# EAGLE board working (EAGLE 9.6.2), part 10 of 28 (continued)
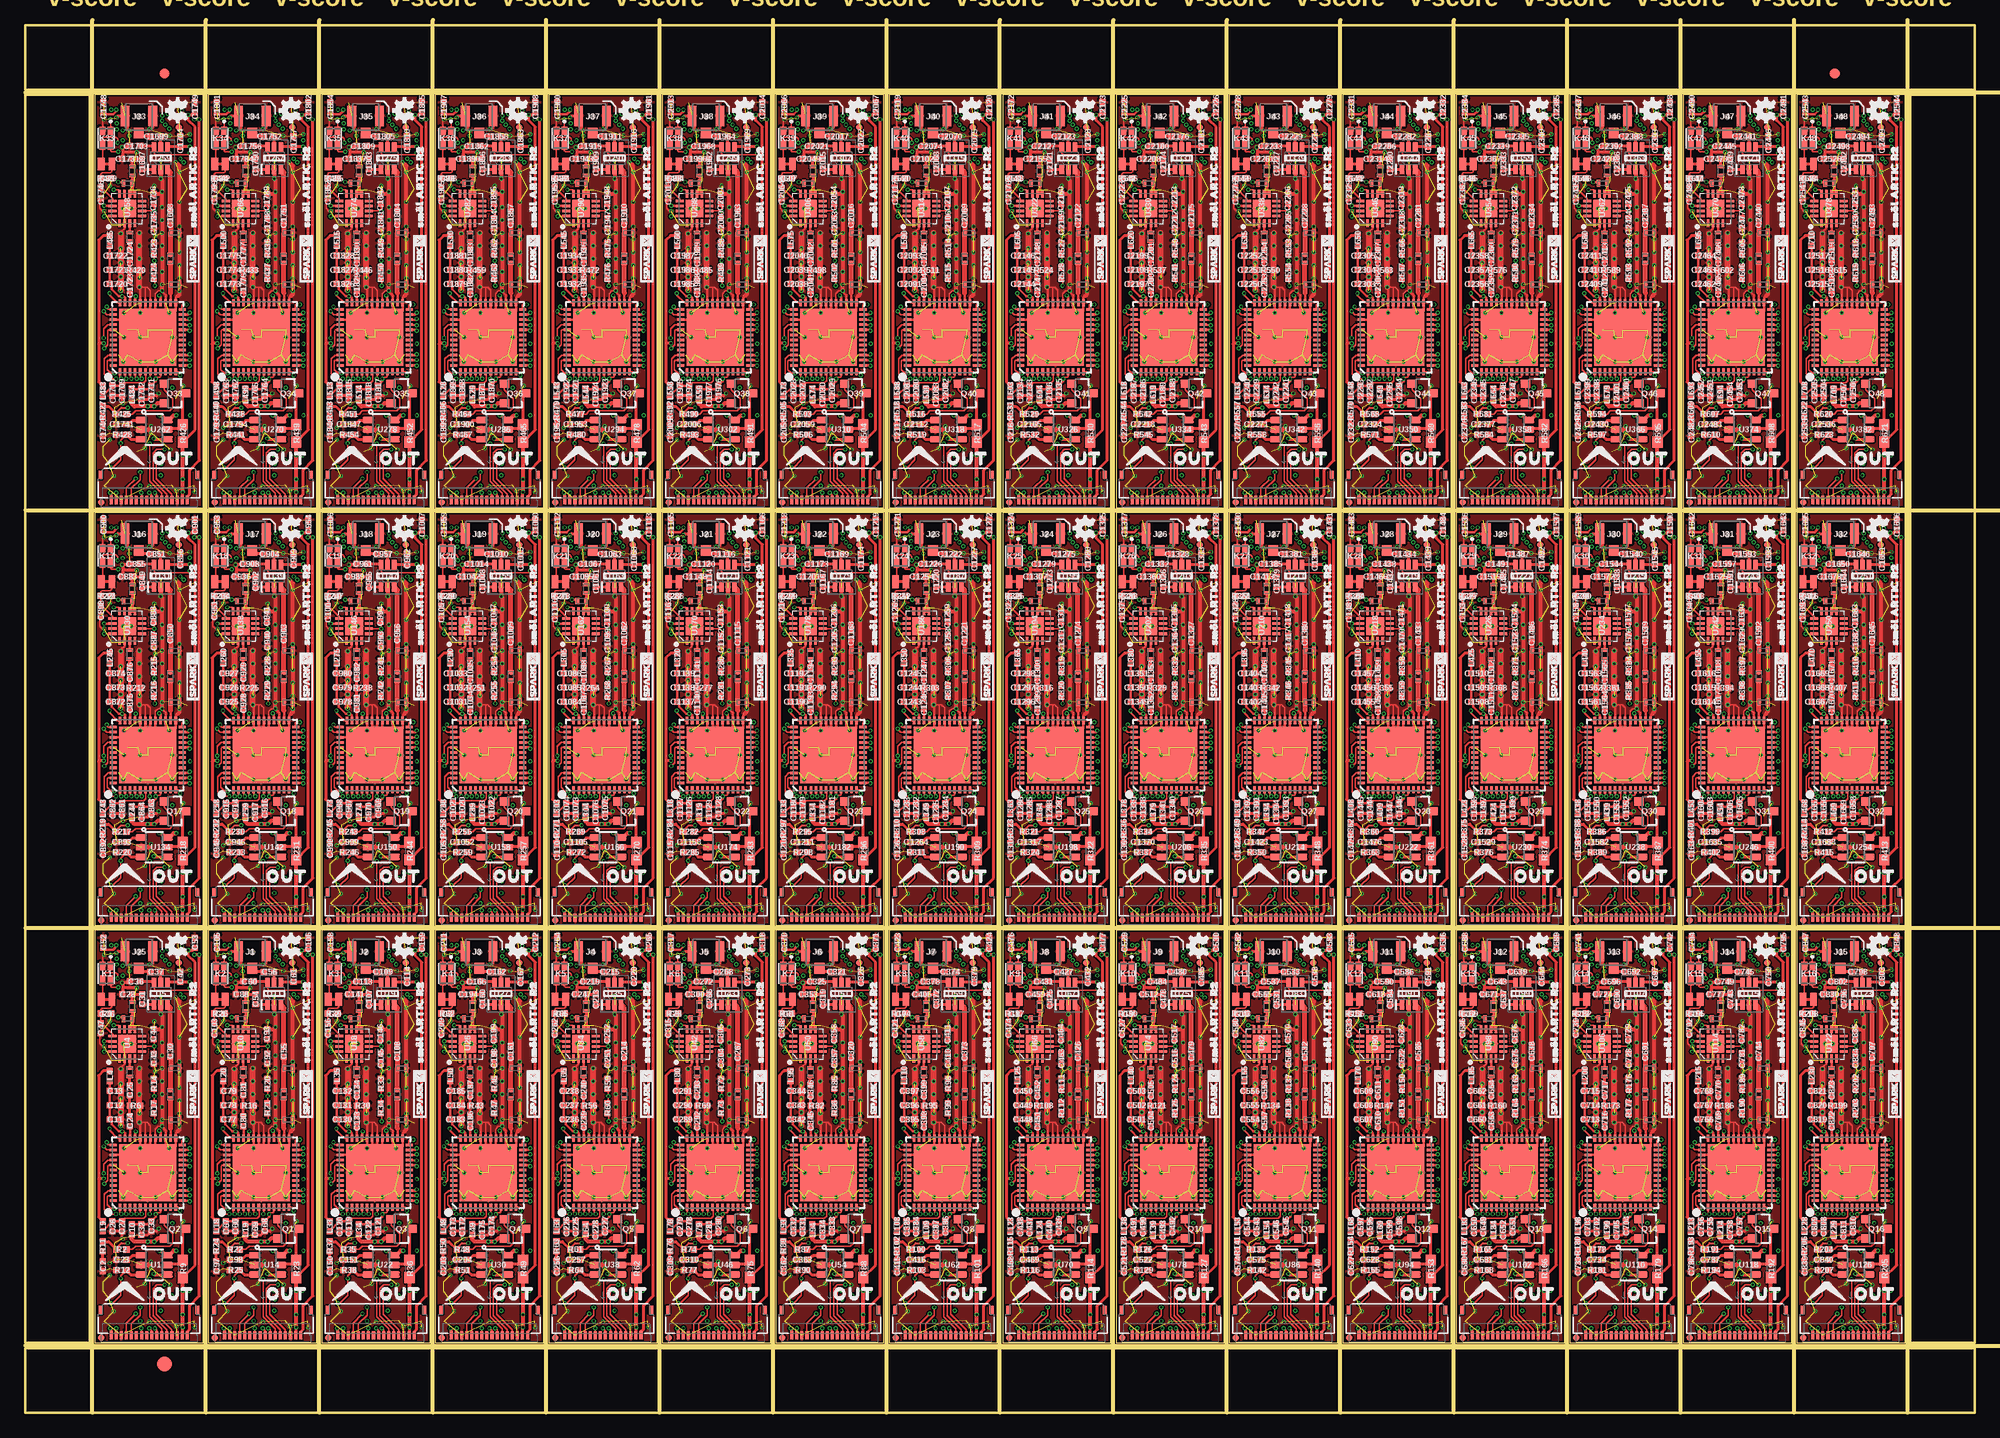
[diagram p0: board, top side]
## Tracks (layer width: path | path; a pad name or v marks a point on that pad's centre or on a via) (continued)
1.8V33  (via drill 0.2)
  Top 0.305: L500.2 18.85,115.94 18.4,115.49 18.4,105.28 | 18.4,105.28 18.4,101.54 L498.2 | v18.9,105.35 18.47,105.35 18.4,105.28
  Bottom 0.152: L496.2 25.73,108.52 26.54,108.52 26.79,108.76 27.36,108.76 1V34.1
  Bottom 0.254: U268.5 19.56,98.11 19.37,98.3 19.37,98.56 C1753.1
  Bottom 0.305: L509.2 23.24,104.21 | 23.24,104.21 L502.2 22.23,104.01 21.25,103.04 19.57,103.04 19.56,103.05 | C1753.1 18.93,102.05 19.56,102.68 19.56,103.05 | 19.56,103.05 19.56,105.09 19.34,105.31 18.93,105.31 v18.9,105.35 | L496.2 24,108.07 24,106.17 23.24,105.41 23.24,104.21
1.8V34  (via drill 0.2)
  Top 0.305: L515.2 30.03,115.94 29.58,115.49 29.58,105.28 | 29.58,105.28 29.58,101.54 L513.2 | v30.07,105.35 29.64,105.35 29.58,105.28
  Bottom 0.152: L511.2 36.9,108.52 37.72,108.52 37.96,108.76 38.53,108.76 1V35.1
  Bottom 0.254: U276.5 30.73,98.11 30.54,98.3 30.54,98.56 C1806.1
  Bottom 0.305: L524.2 34.42,104.21 | 34.42,104.21 L517.2 33.4,104.01 32.42,103.04 30.75,103.04 30.73,103.05 | C1806.1 30.11,102.05 30.73,102.68 30.73,103.05 | 30.73,103.05 30.73,105.09 30.52,105.31 30.11,105.31 v30.07,105.35 | L511.2 35.18,108.07 35.18,106.17 34.42,105.41 34.42,104.21
1.8V35  (via drill 0.2)
  Top 0.305: L530.2 41.2,115.94 40.75,115.49 40.75,105.28 | 40.75,105.28 40.75,101.54 L528.2 | v41.25,105.35 40.82,105.35 40.75,105.28
  Bottom 0.152: L526.2 48.08,108.52 48.89,108.52 49.14,108.76 49.71,108.76 1V36.1
  Bottom 0.254: U284.5 41.91,98.11 41.72,98.3 41.72,98.56 C1859.1
  Bottom 0.305: L539.2 45.59,104.21 | 45.59,104.21 L532.2 44.58,104.01 43.6,103.04 41.92,103.04 41.91,103.05 | C1859.1 41.28,102.05 41.91,102.68 41.91,103.05 | 41.91,103.05 41.91,105.09 41.69,105.31 41.29,105.31 v41.25,105.35 | L526.2 46.35,108.07 46.35,106.17 45.59,105.41 45.59,104.21
1.8V36  (via drill 0.2)
  Top 0.305: L545.2 52.38,115.94 51.93,115.49 51.93,105.28 | 51.93,105.28 51.93,101.54 L543.2 | v52.42,105.35 51.99,105.35 51.93,105.28
  Bottom 0.152: L541.2 59.25,108.52 60.07,108.52 60.31,108.76 60.88,108.76 1V37.1
  Bottom 0.254: U292.5 53.09,98.11 52.9,98.3 52.9,98.56 C1912.1
  Bottom 0.305: L554.2 56.77,104.21 | 56.77,104.21 L547.2 55.75,104.01 54.78,103.04 53.1,103.04 53.09,103.05 | C1912.1 52.46,102.05 53.09,102.68 53.09,103.05 | 53.09,103.05 53.09,105.09 52.87,105.31 52.46,105.31 v52.42,105.35 | L541.2 57.53,108.07 57.53,106.17 56.77,105.41 56.77,104.21
1.8V37  (via drill 0.2)
  Top 0.305: L560.2 63.55,115.94 63.11,115.49 63.11,105.28 | 63.11,105.28 63.11,101.54 L558.2 | v63.6,105.35 63.17,105.35 63.11,105.28
  Bottom 0.152: L556.2 70.43,108.52 71.25,108.52 71.49,108.76 72.06,108.76 1V38.1
  Bottom 0.254: U300.5 64.26,98.11 64.07,98.3 64.07,98.56 C1965.1
  Bottom 0.305: L569.2 67.95,104.21 | 67.95,104.21 L562.2 66.93,104.01 65.95,103.04 64.27,103.04 64.26,103.05 | C1965.1 63.63,102.05 64.26,102.68 64.26,103.05 | 64.26,103.05 64.26,105.09 64.05,105.31 63.64,105.31 v63.6,105.35 | L556.2 68.71,108.07 68.71,106.17 67.95,105.41 67.95,104.21
1.8V38  (via drill 0.2)
  Top 0.305: L575.2 74.73,115.94 74.28,115.49 74.28,105.28 | 74.28,105.28 74.28,101.54 L573.2 | v74.78,105.35 74.35,105.35 74.28,105.28
  Bottom 0.152: L571.2 81.61,108.52 82.42,108.52 82.67,108.76 83.24,108.76 1V39.1
  Bottom 0.254: U308.5 75.44,98.11 75.25,98.3 75.25,98.56 C2018.1
  Bottom 0.305: L584.2 79.12,104.21 | 79.12,104.21 L577.2 78.11,104.01 77.13,103.04 75.45,103.04 75.44,103.05 | C2018.1 74.81,102.05 75.44,102.68 75.44,103.05 | 75.44,103.05 75.44,105.09 75.22,105.31 74.81,105.31 v74.78,105.35 | L571.2 79.88,108.07 79.88,106.17 79.12,105.41 79.12,104.21
1.8V39  (via drill 0.2)
  Top 0.305: L590.2 85.91,115.94 85.46,115.49 85.46,105.28 | 85.46,105.28 85.46,101.54 L588.2 | v85.95,105.35 85.52,105.35 85.46,105.28
  Bottom 0.152: L586.2 92.78,108.52 93.6,108.52 93.84,108.76 94.41,108.76 1V40.1
  Bottom 0.254: U316.5 86.62,98.11 86.42,98.3 86.42,98.56 C2071.1
  Bottom 0.305: L599.2 90.3,104.21 | 90.3,104.21 L592.2 89.28,104.01 88.31,103.04 86.62,103.04 86.61,103.05 | C2071.1 85.99,102.05 86.61,102.68 86.61,103.05 | 86.61,103.05 86.61,105.09 86.4,105.31 85.99,105.31 v85.95,105.35 | L586.2 91.06,108.07 91.06,106.17 90.3,105.41 90.3,104.21
1.8V40  (via drill 0.2)
  Top 0.305: L605.2 97.08,115.94 96.63,115.49 96.63,105.28 | 96.63,105.28 96.63,101.54 L603.2 | v97.13,105.35 96.7,105.35 96.63,105.28
  Bottom 0.152: L601.2 103.96,108.52 104.78,108.52 105.02,108.76 105.59,108.76 1V41.1
  Bottom 0.254: U324.5 97.79,98.11 97.6,98.3 97.6,98.56 C2124.1
  Bottom 0.305: L614.2 101.47,104.21 | 101.47,104.21 L607.2 100.46,104.01 99.48,103.04 97.8,103.04 97.79,103.05 | C2124.1 97.16,102.05 97.79,102.68 97.79,103.05 | 97.79,103.05 97.79,105.09 97.57,105.31 97.17,105.31 v97.13,105.35 | L601.2 102.23,108.07 102.23,106.17 101.47,105.41 101.47,104.21
1.8V41  (via drill 0.2)
  Top 0.305: L620.2 108.26,115.94 107.81,115.49 107.81,105.28 | 107.81,105.28 107.81,101.54 L618.2 | v108.31,105.35 107.88,105.35 107.81,105.28
  Bottom 0.152: L616.2 115.13,108.52 115.95,108.52 116.19,108.76 116.77,108.76 1V42.1
  Bottom 0.254: U332.5 108.97,98.11 108.78,98.3 108.78,98.56 C2177.1
  Bottom 0.305: L629.2 112.65,104.21 | 112.65,104.21 L622.2 111.63,104.01 110.66,103.04 108.98,103.04 108.97,103.05 | C2177.1 108.34,102.05 108.97,102.68 108.97,103.05 | 108.97,103.05 108.97,105.09 108.75,105.31 108.34,105.31 v108.31,105.35 | L616.2 113.41,108.07 113.41,106.17 112.65,105.41 112.65,104.21
1.8V42  (via drill 0.2)
  Top 0.305: L635.2 119.44,115.94 118.99,115.49 118.99,105.28 | 118.99,105.28 118.99,101.54 L633.2 | v119.48,105.35 119.05,105.35 118.99,105.28
  Bottom 0.152: L631.2 126.31,108.52 127.13,108.52 127.37,108.76 127.94,108.76 1V43.1
  Bottom 0.254: U340.5 120.14,98.11 119.95,98.3 119.95,98.56 C2230.1
  Bottom 0.305: L644.2 123.83,104.21 | 123.83,104.21 L637.2 122.81,104.01 121.83,103.04 120.15,103.04 120.14,103.05 | C2230.1 119.52,102.05 120.14,102.68 120.14,103.05 | 120.14,103.05 120.14,105.09 119.92,105.31 119.52,105.31 v119.48,105.35 | L631.2 124.59,108.07 124.59,106.17 123.83,105.41 123.83,104.21
1.8V43  (via drill 0.2)
  Top 0.305: L650.2 130.61,115.94 130.16,115.49 130.16,105.28 | 130.16,105.28 130.16,101.54 L648.2 | v130.66,105.35 130.23,105.35 130.16,105.28
  Bottom 0.152: L646.2 137.49,108.52 138.3,108.52 138.55,108.76 139.12,108.76 1V44.1
  Bottom 0.254: U348.5 131.32,98.11 131.13,98.3 131.13,98.56 C2283.1
  Bottom 0.305: L659.2 135,104.21 | 135,104.21 L652.2 133.98,104.01 133.01,103.04 131.33,103.04 131.32,103.05 | C2283.1 130.69,102.05 131.32,102.68 131.32,103.05 | 131.32,103.05 131.32,105.09 131.1,105.31 130.69,105.31 v130.66,105.35 | L646.2 135.76,108.07 135.76,106.17 135,105.41 135,104.21
1.8V44  (via drill 0.2)
  Top 0.305: L665.2 141.79,115.94 141.34,115.49 141.34,105.28 | 141.34,105.28 141.34,101.54 L663.2 | v141.83,105.35 141.4,105.35 141.34,105.28
  Bottom 0.152: L661.2 148.66,108.52 149.48,108.52 149.72,108.76 150.29,108.76 1V45.1
  Bottom 0.254: U356.5 142.5,98.11 142.3,98.3 142.3,98.56 C2336.1
  Bottom 0.305: L674.2 146.18,104.21 | 146.18,104.21 L667.2 145.16,104.01 144.19,103.04 142.5,103.04 142.49,103.05 | C2336.1 141.87,102.05 142.49,102.68 142.49,103.05 | 142.49,103.05 142.49,105.09 142.28,105.31 141.87,105.31 v141.83,105.35 | L661.2 146.94,108.07 146.94,106.17 146.18,105.41 146.18,104.21
1.8V45  (via drill 0.2)
  Top 0.305: L680.2 152.96,115.94 152.51,115.49 152.51,105.28 | 152.51,105.28 152.51,101.54 L678.2 | v153.01,105.35 152.58,105.35 152.51,105.28
  Bottom 0.152: L676.2 159.84,108.52 160.66,108.52 160.9,108.76 161.47,108.76 1V46.1
  Bottom 0.254: U364.5 153.67,98.11 153.48,98.3 153.48,98.56 C2389.1
  Bottom 0.305: L689.2 157.35,104.21 | 157.35,104.21 L682.2 156.34,104.01 155.36,103.04 153.68,103.04 153.67,103.05 | C2389.1 153.04,102.05 153.67,102.68 153.67,103.05 | 153.67,103.05 153.67,105.09 153.45,105.31 153.05,105.31 v153.01,105.35 | L676.2 158.12,108.07 158.12,106.17 157.35,105.41 157.35,104.21
1.8V46  (via drill 0.2)
  Top 0.305: L695.2 164.14,115.94 163.69,115.49 163.69,105.28 | 163.69,105.28 163.69,101.54 L693.2 | v164.19,105.35 163.75,105.35 163.69,105.28
  Bottom 0.152: L691.2 171.01,108.52 171.83,108.52 172.07,108.76 172.65,108.76 1V47.1
  Bottom 0.254: U372.5 164.85,98.11 164.66,98.3 164.66,98.56 C2442.1
  Bottom 0.305: L704.2 168.53,104.21 | 168.53,104.21 L697.2 167.51,104.01 166.54,103.04 164.86,103.04 164.85,103.05 | C2442.1 164.22,102.05 164.85,102.68 164.85,103.05 | 164.85,103.05 164.85,105.09 164.63,105.31 164.22,105.31 v164.19,105.35 | L691.2 169.29,108.07 169.29,106.17 168.53,105.41 168.53,104.21
1.8V47  (via drill 0.2)
  Top 0.305: L710.2 175.32,115.94 174.87,115.49 174.87,105.28 | 174.87,105.28 174.87,101.54 L708.2 | v175.36,105.35 174.93,105.35 174.87,105.28
  Bottom 0.152: L706.2 182.19,108.52 183.01,108.52 183.25,108.76 183.82,108.76 1V48.1
  Bottom 0.254: U380.5 176.02,98.11 175.83,98.3 175.83,98.56 C2495.1
  Bottom 0.305: L719.2 179.71,104.21 | 179.71,104.21 L712.2 178.69,104.01 177.71,103.04 176.03,103.04 176.02,103.05 | C2495.1 175.4,102.05 176.02,102.68 176.02,103.05 | 176.02,103.05 176.02,105.09 175.8,105.31 175.4,105.31 v175.36,105.35 | L706.2 180.47,108.07 180.47,106.17 179.71,105.41 179.71,104.21
3.3V  (via drill 0.2)
  Top 0.254: v8.95,46.04 8.95,45.91 8.64,45.59 7.88,45.59 C52.1
  Top 0.305: OUT.15 8.94,8.31 v8.95,8.32 | v15.43,45.97 15.43,45.84 15.75,45.53 v16.07,45.53 | C53.1 16.44,45.53 v16.07,45.53 | R9.2 16.71,14.53 16.71,44.35 16.07,44.99 v16.07,45.53 | v15.49,8.38 15.44,8.33 OUT.2
  Top 0.406: v14.86,15.94 14.61,15.94 14.16,15.49 U1.6 13.84,15.49 13.4,15.94 v13.21,15.94 | v15.49,8.38 v15.49,9.65 v15.49,12 R9.2
  Route15 0.305: v8.95,8.32 8.95,7.56 9.21,7.3 15.24,7.3 15.49,7.56 v15.49,8.38 | v8.95,46.04 8.95,46.74 9.27,47.05 15.12,47.05 15.43,46.74 v15.43,45.97
  Bottom 0.254: IN.15 8.95,46.74 v8.95,46.04 | IN.2
  Bottom 0.305: v15.49,8.38 15.63,8.52 C48.1 15.63,9.52 v15.49,9.65 | v8.95,8.32 8.95,8.38 8.75,8.58 C1.1 | IN.2 v15.43,45.97 15.43,45.85 15.75,45.53 v16.07,45.53
  Bottom 0.406: v14.86,15.94 14.1,15.94 | 14.1,15.94 v13.21,15.94 | v15.49,12 15.24,12.25 15.24,13.4 14.1,14.54 14.1,15.94
  Bottom 0.61: v14.99,12 v15.49,12
3.3V1  (via drill 0.2)
  Top 0.254: v20.13,46.04 20.13,45.91 19.81,45.59 19.06,45.59 C105.1
  Top 0.305: OUT1.15 v20.12,8.31 v20.13,8.32 | v26.61,45.97 26.61,45.84 26.92,45.53 v27.24,45.53 | C106.1 27.62,45.53 v27.24,45.53 | R23.2 27.89,14.53 27.89,44.35 27.24,44.99 v27.24,45.53 | v26.67,8.38 26.62,8.33 OUT1.2
  Top 0.406: v26.04,15.94 25.78,15.94 25.33,15.49 U14.6 25.02,15.49 24.57,15.94 v24.38,15.94 | v26.67,8.38 v26.67,9.65 v26.67,12 R23.2
  Route15 0.305: v20.13,8.32 20.13,7.56 20.38,7.3 26.42,7.3 26.67,7.56 v26.67,8.38 | v20.13,46.04 20.13,46.74 20.45,47.05 26.29,47.05 26.61,46.74 v26.61,45.97
  Bottom 0.254: IN1.15 20.13,46.74 v20.13,46.04 | IN1.2
  Bottom 0.305: v26.67,8.38 26.8,8.52 C96.1 26.8,9.52 v26.67,9.65 | v20.13,8.32 20.13,8.38 19.93,8.58 C59.1 | IN1.2 v26.61,45.97 26.61,45.85 26.93,45.53 v27.24,45.53
  Bottom 0.406: v26.04,15.94 25.27,15.94 | 25.27,15.94 v24.38,15.94 | v26.67,12 26.42,12.25 26.42,13.4 25.27,14.54 25.27,15.94
  Bottom 0.61: v26.16,12 v26.67,12
3.3V2  (via drill 0.2)
  Top 0.254: v31.31,46.04 31.31,45.91 30.99,45.59 30.23,45.59 C158.1
  Top 0.305: OUT2.15 31.29,8.31 v31.31,8.32 | v37.79,45.97 37.79,45.84 38.1,45.53 v38.42,45.53 | C159.1 38.79,45.53 v38.42,45.53 | R36.2 39.06,14.53 39.06,44.35 38.42,44.99 v38.42,45.53 | v37.85,8.38 37.79,8.33 OUT2.2
  Top 0.406: v37.21,15.94 36.96,15.94 36.51,15.49 U22.6 36.2,15.49 35.75,15.94 v35.56,15.94 | v37.85,8.38 v37.85,9.65 v37.85,12 R36.2
  Route15 0.305: v31.31,8.32 31.31,7.56 31.56,7.3 37.59,7.3 37.85,7.56 v37.85,8.38 | v31.31,46.04 31.31,46.74 31.62,47.05 37.47,47.05 37.79,46.74 v37.79,45.97
  Bottom 0.254: IN2.15 v31.31,46.04 | IN2.2 37.79,46.74
  Bottom 0.305: v37.85,8.38 37.98,8.52 C149.1 37.98,9.52 v37.85,9.65 | v31.31,8.32 31.31,8.38 31.11,8.58 C112.1 | 37.79,46.74 v37.79,45.97 37.79,45.85 38.1,45.53 v38.42,45.53
  Bottom 0.406: v37.21,15.94 36.45,15.94 | 36.45,15.94 v35.56,15.94 | v37.85,12 37.59,12.25 37.59,13.4 36.45,14.54 36.45,15.94
  Bottom 0.61: v37.34,12 v37.85,12
3.3V3  (via drill 0.2)
  Top 0.254: v42.48,46.04 42.48,45.91 42.16,45.59 41.41,45.59 C211.1
  Top 0.305: OUT3.15 v42.47,8.31 v42.48,8.32 | v48.96,45.97 48.96,45.84 49.27,45.53 v49.59,45.53 | C212.1 49.97,45.53 v49.59,45.53 | R49.2 50.24,14.53 50.24,44.35 49.59,44.99 v49.59,45.53 | v49.02,8.38 48.97,8.33 OUT3.2
  Top 0.406: v48.39,15.94 48.13,15.94 47.69,15.49 U30.6 47.37,15.49 46.93,15.94 v46.74,15.94 | v49.02,8.38 v49.02,9.65 v49.02,12 R49.2
  Route15 0.305: v42.48,8.32 42.48,7.56 42.73,7.3 48.77,7.3 49.02,7.56 v49.02,8.38 | v42.48,46.04 42.48,46.74 42.8,47.05 48.64,47.05 48.96,46.74 v48.96,45.97
  Bottom 0.254: IN3.15 42.48,46.74 v42.48,46.04 | IN3.2
  Bottom 0.305: v49.02,8.38 49.16,8.52 C202.1 49.16,9.52 v49.02,9.65 | v42.48,8.32 42.48,8.38 42.28,8.58 C165.1 | IN3.2 v48.96,45.97 48.96,45.85 49.28,45.53 v49.59,45.53
  Bottom 0.406: v48.39,15.94 47.62,15.94 | 47.62,15.94 v46.74,15.94 | v49.02,12 48.77,12.25 48.77,13.4 47.62,14.54 47.62,15.94
  Bottom 0.61: v48.51,12 v49.02,12
3.3V4  (via drill 0.2)
  Top 0.254: v53.66,46.04 53.66,45.91 53.34,45.59 52.59,45.59 C264.1
  Top 0.305: OUT4.15 53.65,8.31 v53.66,8.32 | v60.14,45.97 60.14,45.84 60.45,45.53 v60.77,45.53 | C265.1 61.14,45.53 v60.77,45.53 | R62.2 61.42,14.53 61.42,44.35 60.77,44.99 v60.77,45.53 | v60.2,8.38 60.15,8.33 OUT4.2
  Top 0.406: v59.56,15.94 59.31,15.94 58.86,15.49 U38.6 58.55,15.49 58.1,15.94 v57.91,15.94 | v60.2,8.38 v60.2,9.65 v60.2,12 R62.2
  Route15 0.305: v53.66,8.32 53.66,7.56 53.91,7.3 59.94,7.3 60.2,7.56 v60.2,8.38 | v53.66,46.04 53.66,46.74 53.97,47.05 59.82,47.05 60.14,46.74 v60.14,45.97
  Bottom 0.254: IN4.15 v53.66,46.04 | IN4.2
  Bottom 0.305: v60.2,8.38 60.33,8.52 C255.1 60.33,9.52 v60.2,9.65 | v53.66,8.32 53.66,8.38 53.46,8.58 C218.1 | IN4.2 v60.14,45.97 60.14,45.85 60.45,45.53 v60.77,45.53
  Bottom 0.406: v59.56,15.94 58.8,15.94 | 58.8,15.94 v57.91,15.94 | v60.2,12 59.94,12.25 59.94,13.4 58.8,14.54 58.8,15.94
  Bottom 0.61: v59.69,12 v60.2,12
3.3V5  (via drill 0.2)
  Top 0.254: v64.83,46.04 64.83,45.91 64.52,45.59 63.76,45.59 C317.1
  Top 0.305: OUT5.15 64.82,8.31 v64.83,8.32 | v71.31,45.97 71.31,45.84 71.63,45.53 v71.95,45.53 | C318.1 72.32,45.53 v71.95,45.53 | R75.2 72.59,14.53 72.59,44.35 71.95,44.99 v71.95,45.53 | v71.37,8.38 71.32,8.33 OUT5.2
  Top 0.406: v70.74,15.94 70.48,15.94 70.04,15.49 U46.6 69.72,15.49 69.28,15.94 v69.09,15.94 | v71.37,8.38 v71.37,9.65 v71.37,12 R75.2
  Route15 0.305: v64.83,8.32 64.83,7.56 65.09,7.3 71.12,7.3 71.37,7.56 v71.37,8.38 | v64.83,46.04 64.83,46.74 65.15,47.05 71,47.05 71.31,46.74 v71.31,45.97
  Bottom 0.254: IN5.15 64.83,46.74 v64.83,46.04 | IN5.2
  Bottom 0.305: v71.37,8.38 71.51,8.52 C308.1 71.51,9.52 v71.37,9.65 | v64.83,8.32 64.83,8.38 64.64,8.58 C271.1 | IN5.2 v71.31,45.97 71.31,45.85 71.63,45.53 v71.95,45.53
  Bottom 0.406: v70.74,15.94 69.98,15.94 | 69.98,15.94 v69.09,15.94 | v71.37,12 71.12,12.25 71.12,13.4 69.98,14.54 69.98,15.94
  Bottom 0.61: v70.87,12 v71.37,12
3.3V6  (via drill 0.2)
  Top 0.254: v76.01,46.04 76.01,45.91 75.69,45.59 74.94,45.59 C370.1
  Top 0.305: OUT6.15 v76,8.31 v76.01,8.32 | v82.49,45.97 82.49,45.84 82.8,45.53 v83.12,45.53 | C371.1 83.5,45.53 v83.12,45.53 | R88.2 83.77,14.53 83.77,44.35 83.12,44.99 v83.12,45.53 | v82.55,8.38 82.5,8.33 OUT6.2
  Top 0.406: v81.92,15.94 81.66,15.94 81.21,15.49 U54.6 80.9,15.49 80.45,15.94 v80.26,15.94 | v82.55,8.38 v82.55,9.65 v82.55,12 R88.2
  Route15 0.305: v76.01,8.32 76.01,7.56 76.26,7.3 82.3,7.3 82.55,7.56 v82.55,8.38 | v76.01,46.04 76.01,46.74 76.33,47.05 82.17,47.05 82.49,46.74 v82.49,45.97
  Bottom 0.254: IN6.15 v76.01,46.04 | IN6.2
  Bottom 0.305: v82.55,8.38 82.69,8.52 C361.1 82.69,9.52 v82.55,9.65 | v76.01,8.32 76.01,8.38 75.81,8.58 C324.1 | IN6.2 v82.49,45.97 82.49,45.85 82.81,45.53 v83.12,45.53
  Bottom 0.406: v81.92,15.94 81.15,15.94 | 81.15,15.94 v80.26,15.94 | v82.55,12 82.3,12.25 82.3,13.4 81.15,14.54 81.15,15.94
  Bottom 0.61: v82.04,12 v82.55,12
3.3V7  (via drill 0.2)
  Top 0.254: v87.19,46.04 87.19,45.91 86.87,45.59 86.11,45.59 C423.1
  Top 0.305: OUT7.15 87.17,8.31 v87.19,8.32 | v93.67,45.97 93.67,45.84 93.98,45.53 v94.3,45.53 | C424.1 94.67,45.53 v94.3,45.53 | R101.2 94.95,14.53 94.95,44.35 94.3,44.99 v94.3,45.53 | v93.73,8.38 93.67,8.33 OUT7.2
  Top 0.406: v93.09,15.94 92.84,15.94 92.39,15.49 U62.6 92.08,15.49 91.63,15.94 v91.44,15.94 | v93.73,8.38 v93.73,9.65 v93.73,12 R101.2
  Route15 0.305: v87.19,8.32 87.19,7.56 87.44,7.3 93.47,7.3 93.73,7.56 v93.73,8.38 | v87.19,46.04 87.19,46.74 87.5,47.05 93.35,47.05 93.67,46.74 v93.67,45.97
  Bottom 0.254: IN7.15 v87.19,46.04 | IN7.2 93.67,46.74
  Bottom 0.305: v93.73,8.38 93.86,8.52 C414.1 93.86,9.52 v93.73,9.65 | v87.19,8.32 87.19,8.38 86.99,8.58 C377.1 | 93.67,46.74 v93.67,45.97 93.67,45.85 93.98,45.53 v94.3,45.53
  Bottom 0.406: v93.09,15.94 92.33,15.94 | 92.33,15.94 v91.44,15.94 | v93.73,12 93.47,12.25 93.47,13.4 92.33,14.54 92.33,15.94
  Bottom 0.61: v93.22,12 v93.73,12
3.3V8  (via drill 0.2)
  Top 0.254: v98.36,46.04 98.36,45.91 98.04,45.59 97.29,45.59 C476.1
  Top 0.305: OUT8.15 v98.35,8.31 v98.36,8.32 | v104.84,45.97 104.84,45.84 105.15,45.53 v105.47,45.53 | C477.1 105.85,45.53 v105.47,45.53 | R114.2 106.12,14.53 106.12,44.35 105.47,44.99 v105.47,45.53 | v104.9,8.38 104.85,8.33 OUT8.2
  Top 0.406: v104.27,15.94 104.01,15.94 103.57,15.49 U70.6 103.25,15.49 102.81,15.94 v102.62,15.94 | v104.9,8.38 v104.9,9.65 v104.9,12 R114.2
  Route15 0.305: v98.36,8.32 98.36,7.56 98.62,7.3 104.65,7.3 104.9,7.56 v104.9,8.38 | v98.36,46.04 98.36,46.74 98.68,47.05 104.52,47.05 104.84,46.74 v104.84,45.97
  Bottom 0.254: IN8.15 98.36,46.74 v98.36,46.04 | IN8.2
  Bottom 0.305: v104.9,8.38 105.04,8.52 C467.1 105.04,9.52 v104.9,9.65 | v98.36,8.32 98.36,8.38 98.16,8.58 C430.1 | IN8.2 v104.84,45.97 104.84,45.85 105.16,45.53 v105.47,45.53
  Bottom 0.406: v104.27,15.94 103.51,15.94 | 103.51,15.94 v102.62,15.94 | v104.9,12 104.65,12.25 104.65,13.4 103.51,14.54 103.51,15.94
  Bottom 0.61: v104.39,12 v104.9,12
3.3V9  (via drill 0.2)
  Top 0.254: v109.54,46.04 109.54,45.91 109.22,45.59 108.47,45.59 C529.1
  Top 0.305: OUT9.15 109.53,8.31 v109.54,8.32 | v116.02,45.97 116.02,45.84 116.33,45.53 v116.65,45.53 | C530.1 117.02,45.53 v116.65,45.53 | R127.2 117.3,14.53 117.3,44.35 116.65,44.99 v116.65,45.53 | v116.08,8.38 116.03,8.33 OUT9.2
  Top 0.406: v115.44,15.94 115.19,15.94 114.74,15.49 U78.6 114.43,15.49 113.98,15.94 v113.79,15.94 | v116.08,8.38 v116.08,9.65 v116.08,12 R127.2
  Route15 0.305: v109.54,8.32 109.54,7.56 109.79,7.3 115.82,7.3 116.08,7.56 v116.08,8.38 | v109.54,46.04 109.54,46.74 109.86,47.05 115.7,47.05 116.02,46.74 v116.02,45.97
  Bottom 0.254: IN9.15 v109.54,46.04 | IN9.2
  Bottom 0.305: v116.08,8.38 116.21,8.52 C520.1 116.21,9.52 v116.08,9.65 | v109.54,8.32 109.54,8.38 109.34,8.58 C483.1 | IN9.2 v116.02,45.97 116.02,45.85 116.33,45.53 v116.65,45.53
  Bottom 0.406: v115.44,15.94 114.68,15.94 | 114.68,15.94 v113.79,15.94 | v116.08,12 115.82,12.25 115.82,13.4 114.68,14.54 114.68,15.94
  Bottom 0.61: v115.57,12 v116.08,12
3.3V10  (via drill 0.2)
  Top 0.254: v120.71,46.04 120.71,45.91 120.4,45.59 119.64,45.59 C582.1
  Top 0.305: OUT10.15 120.7,8.31 v120.71,8.32 | v127.19,45.97 127.19,45.84 127.51,45.53 v127.83,45.53 | C583.1 128.2,45.53 v127.83,45.53 | R140.2 128.47,14.53 128.47,44.35 127.83,44.99 v127.83,45.53 | v127.25,8.38 127.2,8.33 OUT10.2
  Top 0.406: v126.62,15.94 126.37,15.94 125.92,15.49 U86.6 125.61,15.49 125.16,15.94 v124.97,15.94 | v127.25,8.38 v127.25,9.65 v127.25,12 R140.2
  Route15 0.305: v120.71,8.32 120.71,7.56 120.97,7.3 127,7.3 127.25,7.56 v127.25,8.38 | v120.71,46.04 120.71,46.74 121.03,47.05 126.88,47.05 127.19,46.74 v127.19,45.97
  Bottom 0.254: IN10.15 120.71,46.74 v120.71,46.04 | IN10.2
  Bottom 0.305: v127.25,8.38 127.39,8.52 C573.1 127.39,9.52 v127.25,9.65 | v120.71,8.32 120.71,8.38 120.52,8.58 C536.1 | IN10.2 v127.19,45.97 127.19,45.85 127.51,45.53 v127.83,45.53
  Bottom 0.406: v126.62,15.94 125.86,15.94 | 125.86,15.94 v124.97,15.94 | v127.25,12 127,12.25 127,13.4 125.86,14.54 125.86,15.94
  Bottom 0.61: v126.75,12 v127.25,12
3.3V11  (via drill 0.2)
  Top 0.254: v131.89,46.04 131.89,45.91 131.57,45.59 130.82,45.59 C635.1
  Top 0.305: OUT11.15 v131.88,8.31 v131.89,8.32 | v138.37,45.97 138.37,45.84 138.68,45.53 v139,45.53 | C636.1 139.38,45.53 v139,45.53 | R153.2 139.65,14.53 139.65,44.35 139,44.99 v139,45.53 | v138.43,8.38 138.38,8.33 OUT11.2
  Top 0.406: v137.8,15.94 137.54,15.94 137.09,15.49 U94.6 136.78,15.49 136.33,15.94 v136.14,15.94 | v138.43,8.38 v138.43,9.65 v138.43,12 R153.2
  Route15 0.305: v131.89,8.32 131.89,7.56 132.14,7.3 138.18,7.3 138.43,7.56 v138.43,8.38 | v131.89,46.04 131.89,46.74 132.21,47.05 138.05,47.05 138.37,46.74 v138.37,45.97
  Bottom 0.254: IN11.15 131.89,46.74 v131.89,46.04 | IN11.2
  Bottom 0.305: v138.43,8.38 138.56,8.52 C626.1 138.56,9.52 v138.43,9.65 | v131.89,8.32 131.89,8.38 131.69,8.58 C589.1 | IN11.2 v138.37,45.97 138.37,45.85 138.69,45.53 v139,45.53
  Bottom 0.406: v137.8,15.94 137.03,15.94 | 137.03,15.94 v136.14,15.94 | v138.43,12 138.18,12.25 138.18,13.4 137.03,14.54 137.03,15.94
  Bottom 0.61: v137.92,12 v138.43,12
3.3V12  (via drill 0.2)
  Top 0.254: v143.07,46.04 143.07,45.91 142.75,45.59 141.99,45.59 C688.1
  Top 0.305: OUT12.15 143.05,8.31 v143.07,8.32 | v149.55,45.97 149.55,45.84 149.86,45.53 v150.18,45.53 | C689.1 150.55,45.53 v150.18,45.53 | R166.2 150.83,14.53 150.83,44.35 150.18,44.99 v150.18,45.53 | v149.61,8.38 149.55,8.33 OUT12.2
  Top 0.406: v148.97,15.94 148.72,15.94 148.27,15.49 U102.6 147.96,15.49 147.51,15.94 v147.32,15.94 | v149.61,8.38 v149.61,9.65 v149.61,12 R166.2
  Route15 0.305: v143.07,8.32 143.07,7.56 143.32,7.3 149.35,7.3 149.61,7.56 v149.61,8.38 | v143.07,46.04 143.07,46.74 143.38,47.05 149.23,47.05 149.55,46.74 v149.55,45.97
  Bottom 0.254: IN12.15 v143.07,46.04 | IN12.2 149.55,46.74
  Bottom 0.305: v149.61,8.38 149.74,8.52 C679.1 149.74,9.52 v149.61,9.65 | v143.07,8.32 143.07,8.38 142.87,8.58 C642.1 | 149.55,46.74 v149.55,45.97 149.55,45.85 149.86,45.53 v150.18,45.53
  Bottom 0.406: v148.97,15.94 148.21,15.94 | 148.21,15.94 v147.32,15.94 | v149.61,12 149.35,12.25 149.35,13.4 148.21,14.54 148.21,15.94
  Bottom 0.61: v149.1,12 v149.61,12
3.3V13  (via drill 0.2)
  Top 0.254: v154.24,46.04 154.24,45.91 153.92,45.59 153.17,45.59 C741.1
  Top 0.305: OUT13.15 v154.23,8.31 v154.24,8.32 | v160.72,45.97 160.72,45.84 161.03,45.53 v161.35,45.53 | C742.1 161.73,45.53 v161.35,45.53 | R179.2 162,14.53 162,44.35 161.35,44.99 v161.35,45.53 | v160.78,8.38 160.73,8.33 OUT13.2
  Top 0.406: v160.15,15.94 159.89,15.94 159.45,15.49 U110.6 159.13,15.49 158.69,15.94 v158.5,15.94 | v160.78,8.38 v160.78,9.65 v160.78,12 R179.2
  Route15 0.305: v154.24,8.32 154.24,7.56 154.5,7.3 160.53,7.3 160.78,7.56 v160.78,8.38 | v154.24,46.04 154.24,46.74 154.56,47.05 160.4,47.05 160.72,46.74 v160.72,45.97
  Bottom 0.254: IN13.15 154.24,46.74 v154.24,46.04 | IN13.2
  Bottom 0.305: v160.78,8.38 160.92,8.52 C732.1 160.92,9.52 v160.78,9.65 | v154.24,8.32 154.24,8.38 154.04,8.58 C695.1 | IN13.2 v160.72,45.97 160.72,45.85 161.04,45.53 v161.35,45.53
  Bottom 0.406: v160.15,15.94 159.38,15.94 | 159.38,15.94 v158.5,15.94 | v160.78,12 160.53,12.25 160.53,13.4 159.38,14.54 159.38,15.94
  Bottom 0.61: v160.27,12 v160.78,12
3.3V14  (via drill 0.2)
  Top 0.254: v165.42,46.04 165.42,45.91 165.1,45.59 164.35,45.59 C794.1
  Top 0.305: OUT14.15 165.41,8.31 v165.42,8.32 | v171.9,45.97 171.9,45.84 172.21,45.53 v172.53,45.53 | C795.1 172.9,45.53 v172.53,45.53 | R192.2 173.18,14.53 173.18,44.35 172.53,44.99 v172.53,45.53 | v171.96,8.38 171.91,8.33 OUT14.2
  Top 0.406: v171.32,15.94 171.07,15.94 170.62,15.49 U118.6 170.31,15.49 169.86,15.94 v169.67,15.94 | v171.96,8.38 v171.96,9.65 v171.96,12 R192.2
  Route15 0.305: v165.42,8.32 165.42,7.56 165.67,7.3 171.7,7.3 171.96,7.56 v171.96,8.38 | v165.42,46.04 165.42,46.74 165.74,47.05 171.58,47.05 171.9,46.74 v171.9,45.97
  Bottom 0.254: IN14.15 v165.42,46.04 | IN14.2
  Bottom 0.305: v171.96,8.38 172.09,8.52 C785.1 172.09,9.52 v171.96,9.65 | v165.42,8.32 165.42,8.38 165.22,8.58 C748.1 | IN14.2 v171.9,45.97 171.9,45.85 172.21,45.53 v172.53,45.53
  Bottom 0.406: v171.32,15.94 170.56,15.94 | 170.56,15.94 v169.67,15.94 | v171.96,12 171.7,12.25 171.7,13.4 170.56,14.54 170.56,15.94
  Bottom 0.61: v171.45,12 v171.96,12
3.3V15  (via drill 0.2)
  Top 0.254: v176.59,46.04 176.59,45.91 176.28,45.59 175.52,45.59 C847.1
  Top 0.305: OUT15.15 176.58,8.31 v176.59,8.32 | v183.07,45.97 183.07,45.84 183.39,45.53 v183.71,45.53 | C848.1 184.08,45.53 v183.71,45.53 | R205.2 184.35,14.53 184.35,44.35 183.71,44.99 v183.71,45.53 | v183.13,8.38 183.08,8.33 OUT15.2